# Altium PCB PCB_ECGAcquisitionSystem.PcbDoc (part 1 of 2) (continued)
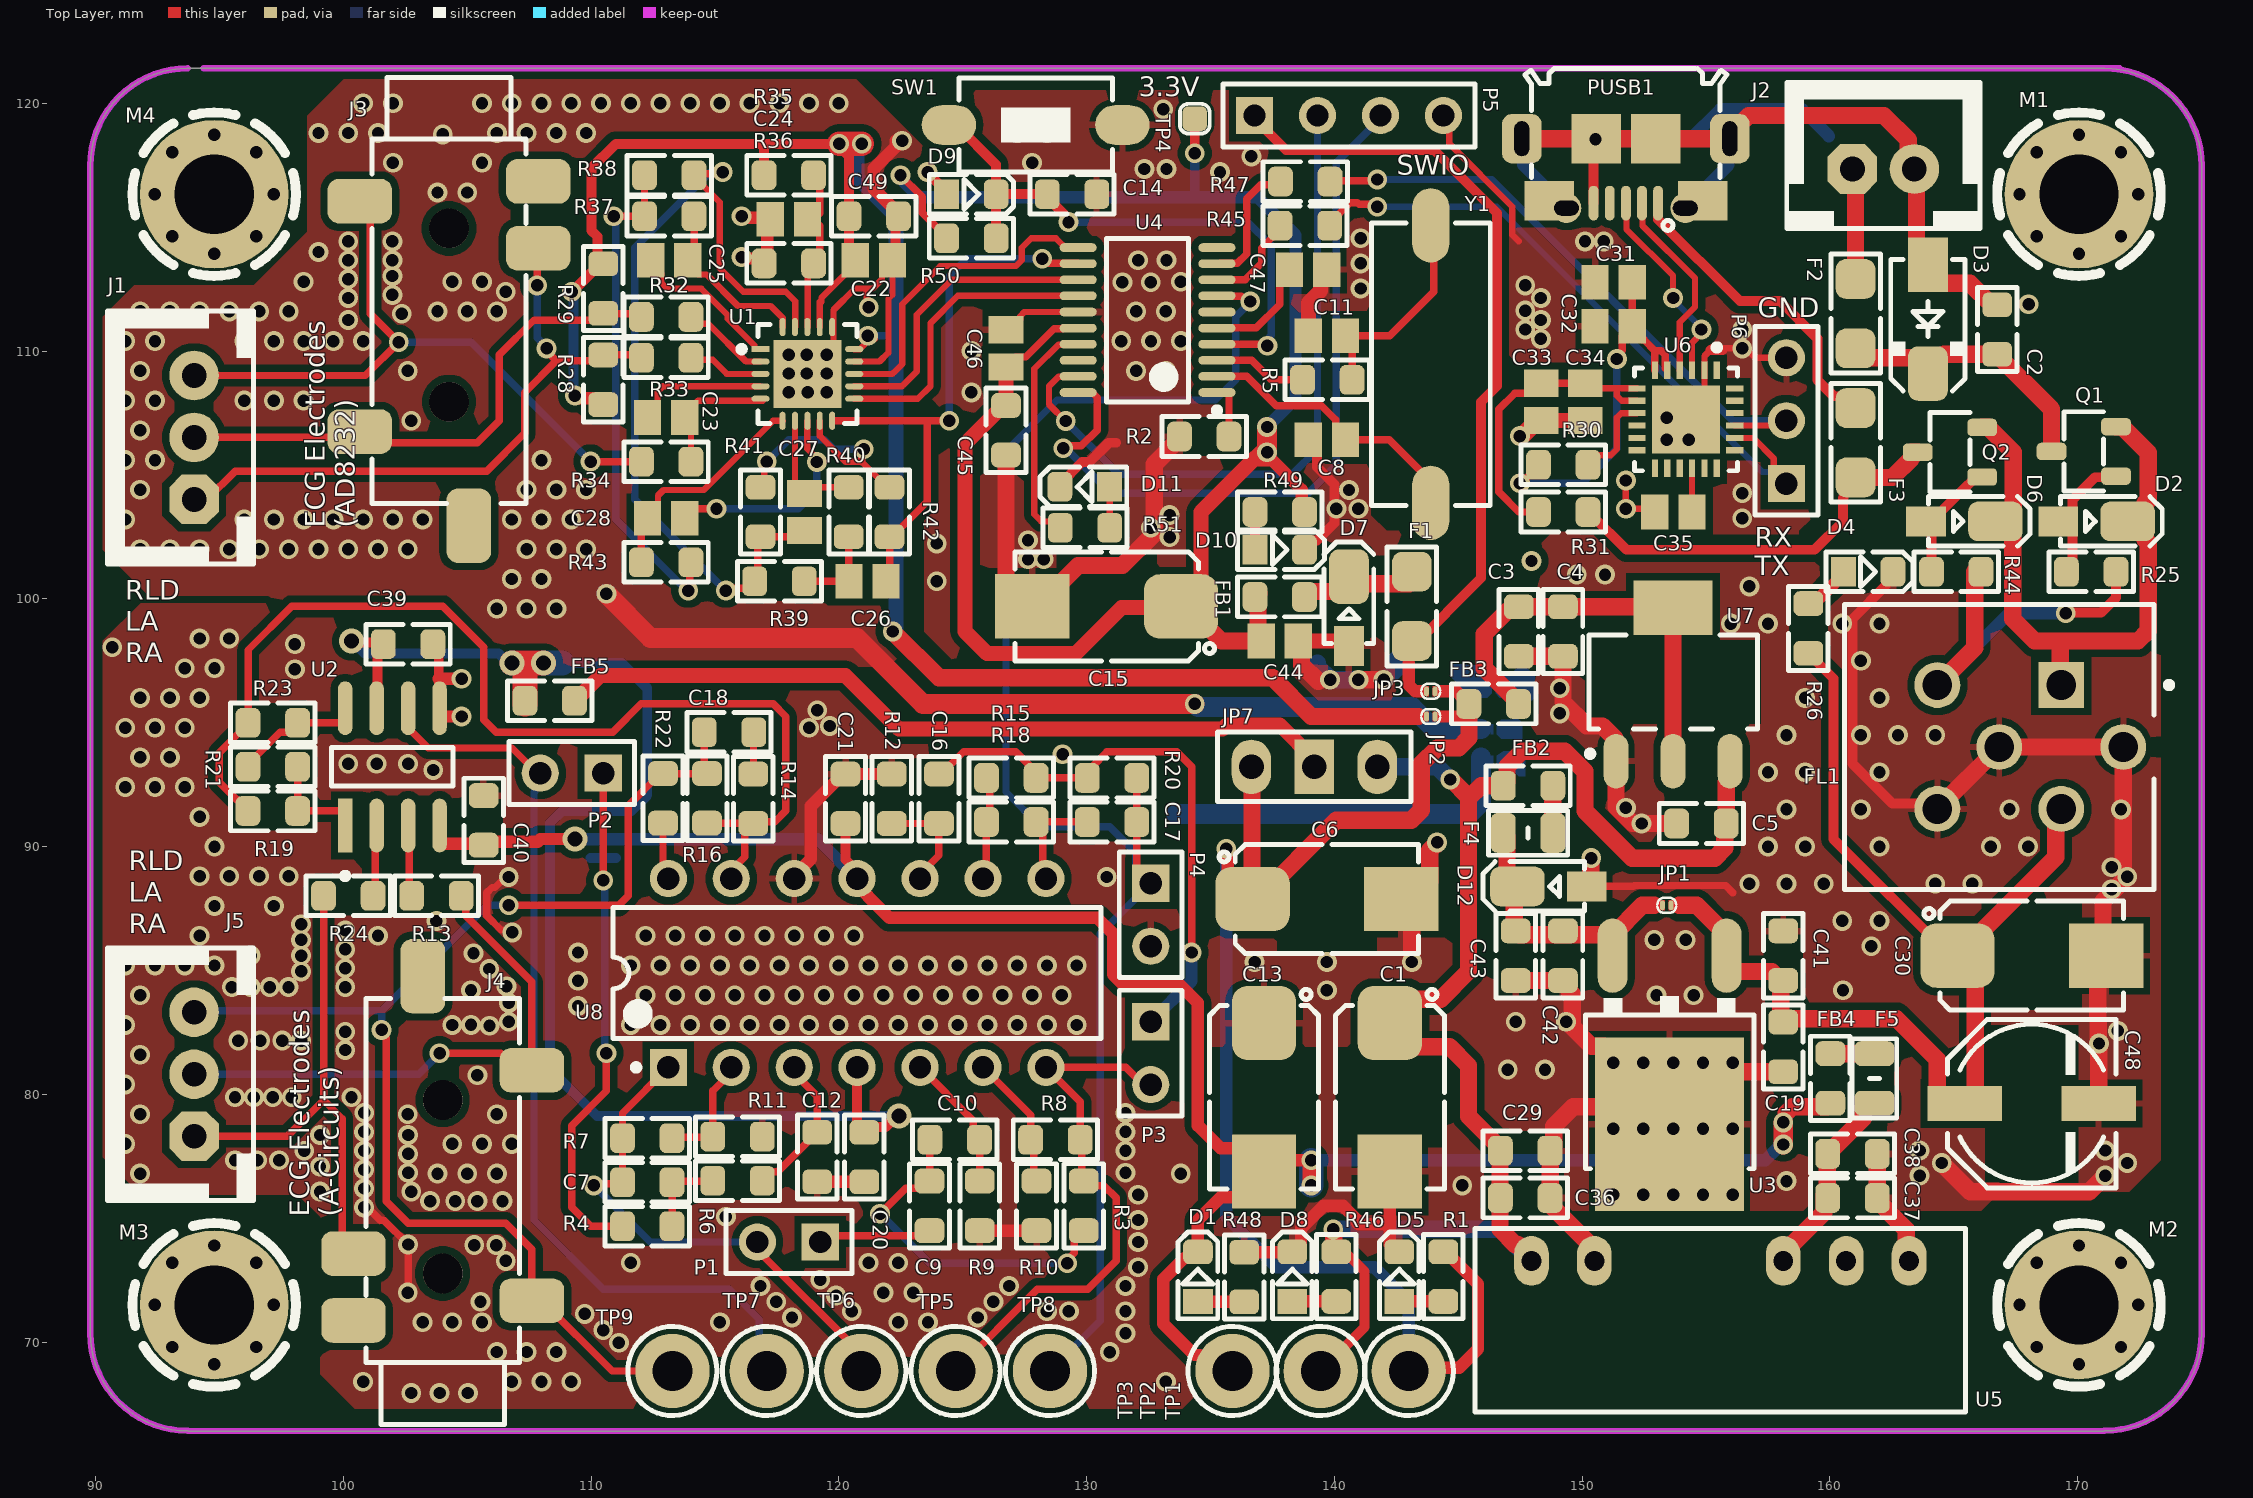
[diagram p0: Top Layer view]
## Components (designator, comment, footprint, x,y, rotation, side; value= is the part's Value field where it differs from the comment) (continued)
SW1 "PUSHBUTTON" SWPBS_SPST_6X3X5 127.945,119.126 r180 top
TP1 "3.3V_TP" TPTHD_C_BLK2 143.002,68.834 r0 top value=VALUE
TP2 "5V_TP" TPTHD_C_BLK2 139.446,68.834 r0 top value=VALUE
TP3 "-5V_TP" TPTHD_C_BLK2 135.89,68.834 r0 top value=VALUE
TP4 "V_MCU" TPSMD_S1 134.366,119.38 r0 top value=VALUE
TP5 "ECG_HPF_TP" TPTHD_C_BLK2 124.714,68.834 r180 top value=VALUE
TP6 "ECG_LPF_TP" TPTHD_C_BLK2 120.904,68.834 r180 top value=VALUE
TP7 "ECG_PREAMP_TP" TPTHD_C_BLK2 117.094,68.834 r180 top value=VALUE
TP8 "ECG_OUT_TP" TPTHD_C_BLK2 128.524,68.834 r180 top value=VALUE
TP9 "ECG_RLD_TP" TPTHD_C_BLK2 113.284,68.834 r180 top value=VALUE
U1 "AD8232ACPZ-R7" FP-CP-20-8-IPC_C 118.731,109.077 r0 top
U2 "AD620ARZ-REEL7" FP-R-8-IPC_B 101.981,93.218 r90 top
U3 "LF33" DPAK_3 153.529,85.598 r180 top
U4 "STM32F030F4P6" STM-TSSOP20_L 132.461,111.252 r180 top
U5 "MAU202" MINMAX_MAU200 155.575,73.279 r0 top
U6 "CP2104-F03-GM" FP-CP2104-F03-GM-MFG 154.187,107.245 r270 top
U7 "RT9001-33" SOT223_4 153.67,96.647 r90 top
U8 "TL084CN" N0014A 120.739,84.898 r90 top
Y1 "12MHZ" XTL_2_11X5 143.891,109.474 r90 top

## Footprints (in the part's own frame and the unit in brackets; to place one, negate y for a bottom-side part, rotate by r counter-clockwise, add the part's x,y. Pads: shape width x height; smd on the part's side, far side on the other; paste and mask are expansions set on the pad)
C0805 [mm] "Chip Capacitor, Body 2.0x1.3mm, IPC High Density"
  rect 1.1x1.4 smd: 1(-0.75,0) 2(0.75,0)
  body extent -1.1,-0.72 1.1,0.72, height 1.4
C0805S [mm] "CHIP Capacitor, 2.0X1.3mm, 0805, soldered"
  rrect50% 1x1.2 smd paste-0.1 mask+0.075: 1(-1,0) 2(1,0)
  Top Layer pour cut-out: -0.5,0.8 0.5,0.8 0.5,-0.8 -0.5,-0.8
  silkscreen extent -1.7,-0.8 1.7,0.8, body extent -1.4,-0.62 1.4,0.63, height 0.8
C_EL_6_8 [mm] "Electrolytic Cap, D: 6.3mm L: 7.7mm, Size D"
  rect 3x1.4 smd: 1(-2.7,0) 2(2.7,0)
  Top Layer pour cut-out: 1.905,3.175 1.905,-3.175 -1.905,-3.175 -1.905,3.175
  silkscreen extent -3.4,-3.4 3.4,3.4, body extent -3.65,-3.3 3.65,3.3, height 7.7
C_TN_7343 [mm] "CAPACITOR, TAN D, TAN E, TAN Y, TAN X, 7343P, 7.3X4.3mm"
  rrect50% 3x2.6 smd: 1(-3,0)
  rect 3x2.6 smd: 2(3,0)
  Top Layer pour cut-out: -2.032,2.2 -2.032,-2.2 2.032,-2.2 2.032,2.2
  silkscreen extent -4.35,-2.2 3.7,2.2, body extent -3.7,-2.22 3.7,2.23, height 4.2
D_SMA [mm] "SMA Molded Diode, 2-Leads, Body 4.3x2.7mm, SOD-128"
  rect 2.2x1.6 smd paste-0.1: 1(-2.2,0)
  rrect50% 2.2x1.6 smd paste-0.1: 2(2.2,0)
  silkscreen extent -2.4,-1.5 2.9,1.5, body extent -2.75,-1.4 2.75,1.4, height 2.6
D_SOD123W [mm] "PowerDI-123, SOD123, DO-213AA, 1206D"
  rect 1.6x1.2 smd paste-0.1 mask+0.1: 1(-1.6,0)
  rrect50% 2.2x1.6 smd paste-0.1 mask+0.1: 2(1.2,0)
  Top Layer pour cut-out: -1.016,1.1 -1.016,-1.1 1.016,-1.1 1.016,1.1
  silkscreen extent -1.5,-1 2.6,1, body extent -1.95,-0.97 1.95,0.96, height 1
D_SOD323 [mm] "DIODE0805, SOD-323, SC-76, DL-35, 0805 similar size"
  rect 1x1.2 smd paste-2 mask+0.075: 1(-1,0)
  rrect50% 1x1.2 smd paste-2 mask+0.075: 2(1,0)
  Top Layer pour cut-out: -0.5,0.8 0.5,0.8 0.5,-0.8 -0.5,-0.8
  silkscreen extent -1.7,-0.8 1.7,0.8, body extent -1.25,-0.68 1.25,0.67, height 1
DPAK_3 [mm] "D-PAK (TO-252), 3-Pads, Body 6.2x6.7mm"
  oval 1.2x3 smd: 1(-2.3,0) 3(2.3,0)
  rect 6x7 smd paste-5: 4(0,6.8)
  silkscreen extent -3.4,1.63 3.4,8.6, body extent -3.37,-0.5 3.37,9.6, height 2.37
F0805 [mm] "FUSE FAST 500mA, 0805, 2012, 2.0X1.3mm"
  rrect50% 1x1.6 smd paste-0.1 mask+0.075: 1(-1,0) 2(1,0)
  Top Layer pour cut-out: -0.5,0.8 0.5,0.8 0.5,-0.8 -0.5,-0.8
  silkscreen extent -1.6,-0.9 1.6,0.9, body extent -1.1,-0.75 1.1,0.75, height 1.24
F1206 [mm] "FUSE, 1206, 3.2x1.6mm"
  rrect50% 1.6x1.6 smd paste-2 mask+0.075: 1(-1.4,0) 2(1.4,0)
  Top Layer pour cut-out: -0.8,1 -0.8,-1 0.8,-1 0.8,1
  silkscreen extent -2.4,-1 2.4,1, body extent -1.6,-0.8 1.6,0.8, height 1
FP-BNX_L12MM5_W11MM5_T13M-MFG [mm]
  rect 1.85x1.85 hole 1.2 paste-1000 mask+0: 1(2.5,2.5)
  round 1.85 hole 1.2 paste-1000 mask+0: 2(2.5,-2.5) 3(-2.5,2.5) 4(-2.5,-2.5) 5(0,0) 6(5,0)
  silkscreen extent -6.25,-5.75 6.98,5.75, body extent -6.35,-5.85 6.35,5.85, height 0.25
FP-CP2104-F03-GM-MFG [mm]
  rect 0.7x0.25 smd paste+0 mask+0: 1(-1.975,1.25) 2(-1.975,0.75) 3(-1.975,0.25) 4(-1.975,-0.25) 5(-1.975,-0.75) 6(-1.975,-1.25) 13(1.975,-1.25) 14(1.975,-0.75) 15(1.975,-0.25) 16(1.975,0.25) 17(1.975,0.75) 18(1.975,1.25)
  rect 0.25x0.7 smd paste+0 mask+0: 7(-1.25,-1.975) 8(-0.75,-1.975) 9(-0.25,-1.975) 10(0.25,-1.975) 11(0.75,-1.975) 12(1.25,-1.975) 19(1.25,1.975) 20(0.75,1.975) 21(0.25,1.975) 22(-0.25,1.975) 23(-0.75,1.975) 24(-1.25,1.975)
  rect 2.75x2.75 smd paste-1000 mask+0: 25(0,0)
  silkscreen extent -3.02,-2.07 2.08,2.07, body extent -2.42,-2.42 2.43,2.42, height 0.25
FP-CP-20-8-IPC_C [mm]
  rect 0.731x0.239 smd paste+0 mask+0: 1(-1.891,1)
  rrect100% 0.731x0.239 smd paste+0 mask+0: 2(-1.891,0.5) 3(-1.891,0) 4(-1.891,-0.5) 5(-1.891,-1) 11(1.891,-1) 12(1.891,-0.5) 13(1.891,0) 14(1.891,0.5) 15(1.891,1)
  rrect100% 0.239x0.731 smd paste+0 mask+0: 6(-1,-1.891) 7(-0.5,-1.891) 8(0,-1.891) 9(0.5,-1.891) 10(1,-1.891) 16(1,1.891) 17(0.5,1.891) 18(0,1.891) 19(-0.5,1.891) 20(-1,1.891)
  rect 2.75x2.75 smd paste-1000 mask+0: 21(0,0)
  silkscreen extent -2.78,-2 2,2, body extent -2.36,-2.36 2.36,2.36, height 0.25
FP-R-8-IPC_B [mm]
  rect 2.174x0.582 smd paste+0 mask+0: 1(-2.366,1.905)
  rrect100% 2.174x0.582 smd paste+0 mask+0: 2(-2.366,0.635) 3(-2.366,-0.635) 4(-2.366,-1.905) 5(2.366,-1.905) 6(2.366,-0.635) 7(2.366,0.635) 8(2.366,1.905)
  silkscreen extent -4.53,-2.45 0.78,2.45, body extent -3.7,-2.7 3.7,2.7, height 0.25
HDR1X2 [mm] "Connector; Header; 2 Position"
  rect 1.5x1.5 hole 0.9: 1(0,0)
  round 1.5 hole 0.9: 2(2.54,0)
  silkscreen extent -1.27,-1.27 3.81,1.27
HDR1X3 [mm] "Connector; Header; 3 Position"
  rect 1.5x1.5 hole 0.9: 1(0,0)
  round 1.5 hole 0.9: 2(2.54,0) 3(5.08,0)
  silkscreen extent -1.27,-1.27 6.35,1.27
HDR1X4 [mm] "Connector; Header; 4 Position"
  rect 1.5x1.5 hole 0.9: 1(0,0)
  round 1.5 hole 0.9: 2(2.54,0) 3(5.08,0) 4(7.62,0)
  silkscreen extent -1.27,-1.27 8.89,1.27
JCKAS_STX3500 [mm] "Jack, Audio, Stereo, 3.5mm, RA, SMD"
  rrect50% 2.6x1.8 smd: 1(-3.6,8.1) 2(-3.6,-1.2) 3(3.6,6.2) 5(3.6,8.9)
  rrect50% 1.8x3 smd: 4(0.8,-5)
  round 1.6 hole 1.6 unplated: ""(0,0) ""(0,7)
  silkscreen extent -3.1,-4.1 3.1,13.1, body extent -4.5,-6 4.5,13, height 5
JP_3 [mm] "Jumper Header 2.54mm Pitch, 3PIN, Vertical"
  oval 1.6x2.2 hole 1: 1(-2.54,0) 3(2.54,0)
  rect 1.6x2.2 hole 1: 2(0,0)
  silkscreen extent -3.9,-1.4 3.9,1.4, body extent -3.82,-1.27 3.8,1.27, height 8.57
JP_40X50 [mm] "JUMPER SOLDER 0.4X0.5MM"
  oval 0.2x0.4 smd paste-2 mask+0.05: 1(-0.175,0) 2(0.175,0)
  Top Layer region: 0.175,0.2 0.075,0.2 0.075,-0.2 0.175,-0.2
  Top Layer region: -0.175,0.2 -0.075,0.2 -0.075,-0.2 -0.175,-0.2
  silkscreen extent -0.38,-0.3 0.38,0.3
L0805 [mm] "INDUCTOR, FERRITE BEAD, 0805, 2.0X1.3mm"
  rrect50% 1x1.2 smd paste-0.1 mask+0.075: 1(-1,0) 2(1,0)
  Top Layer pour cut-out: -0.5,0.8 0.5,0.8 0.5,-0.8 -0.5,-0.8
  silkscreen extent -1.7,-0.8 1.7,0.8, body extent -1,-0.6 1,0.6, height 0.95
LED0805BLU [mm] "LED SMD 0805, BLUE"
  rect 1x1.2 smd paste-2 mask+0.075: 1(-1,0)
  rrect50% 1x1.2 smd paste-2 mask+0.075: 2(1,0)
  Top Layer pour cut-out: -0.5,0.8 0.5,0.8 0.5,-0.8 -0.5,-0.8
  silkscreen extent -1.7,-0.8 1.8,0.8, body extent -1,-0.63 1,0.63, height 0.7
LED0805GRN [mm] "LED SMD 0805, GREEN"
  rect 1x1.2 smd paste-2 mask+0.075: 1(-1,0)
  rrect50% 1x1.2 smd paste-2 mask+0.075: 2(1,0)
  Top Layer pour cut-out: -0.5,0.8 0.5,0.8 0.5,-0.8 -0.5,-0.8
  silkscreen extent -1.7,-0.8 1.8,0.8, body extent -1,-0.63 1,0.63, height 0.7
LED0805RED [mm] "LED SMD 0805, RED"
  rect 1x1.2 smd paste-2 mask+0.075: 1(-1,0)
  rrect50% 1x1.2 smd paste-2 mask+0.075: 2(1,0)
  Top Layer pour cut-out: -0.5,0.8 0.5,0.8 0.5,-0.8 -0.5,-0.8
  silkscreen extent -1.7,-0.8 1.8,0.8, body extent -1,-0.63 1,0.63, height 0.7
MINMAX_MAU200 [mm] "DC-DC Module, MAU200"
  oval 1.4x2 hole 0.8: 1(-7.62,0) 2(-5.08,0) 5(2.54,0) 6(5.08,0) 7(7.62,0)
  silkscreen extent -9.9,-6.1 9.9,1.3, body extent -9.75,-6 9.75,1.2, height 10
N0014A [mm] "DIP, 14-Leads, Body 19.7x6.6mm, Pitch 2.54mm"
  rect 1.5x1.5 hole 0.9: 1(-3.81,7.62)
  round 1.5 hole 0.9: 2(-3.81,5.08) 3(-3.81,2.54) 4(-3.81,0) 5(-3.81,-2.54) 6(-3.81,-5.08) 7(-3.81,-7.62) 8(3.81,-7.62) 9(3.81,-5.08) 10(3.81,-2.54) 11(3.81,0) 12(3.81,2.54) 13(3.81,5.08) 14(3.81,7.62)
  silkscreen extent -3.93,-9.85 2.65,9.85, body extent -3.95,-9.85 3.95,9.85, height 5.08
R0805 [mm] "CHIP RESISTOR 1/8 WATT ,2.0X1.3mm, 0805, 2012"
  rrect50% 1x1.2 smd paste-0.1 mask+0.075: 1(-1,0) 2(1,0)
  Top Layer pour cut-out: -0.5,0.8 0.5,0.8 0.5,-0.8 -0.5,-0.8
  silkscreen extent -1.7,-0.8 1.7,0.8, body extent -1.15,-0.67 1.15,0.68, height 0.76
R0805S [mm] "CHIP RESISTOR 1/8 WATT ,2.0X1.3mm, 0805, 2012, soldered"
  rrect50% 1x1.2 smd paste-0.1 mask+0.075: 1(-1,0) 2(1,0)
  Top Layer pour cut-out: -0.5,0.8 0.5,0.8 0.5,-0.8 -0.5,-0.8
  silkscreen extent -1.7,-0.8 1.7,0.8, body extent -1.4,-0.62 1.4,0.63, height 0.8
SCMH_M3 [mm] "SCREW mouting, M3, 3.0mm diameter and 6.0mm PanHead"
  round 6 / inner round 3.5 / far side round 6 hole 3.2 mask+0.1: 1(0,0)
  Top Layer pour cut-out: 0,3.5 -1.339,3.234 -2.475,2.475 -3.234,1.339 -3.5,0 -3.5,0 -3.234,-1.339 -2.475,-2.475 -1.339,-3.234 0,-3.5 0,-3.5 1.75,-3.031 3.031,-1.75 3.5,0 3.5,0 3.234,1.339 2.475,2.475 1.339,3.234 0,3.5
  Bottom Layer pour cut-out: 0,3.5 -1.339,3.234 -2.475,2.475 -3.234,1.339 -3.5,0 -3.5,0 -3.234,-1.339 -2.475,-2.475 -1.339,-3.234 0,-3.5 0,-3.5 1.75,-3.031 3.031,-1.75 3.5,0 3.5,0 3.234,1.339 2.475,2.475 1.339,3.234 0,3.5
  silkscreen extent -3.3,-3.3 3.3,3.3
SOT23_3 [mm] "SOT-23, Micro3, MO-178, TO-236AB, MO-193C, SuperSOT3, SC-59, 1.5x3mm, Pitch 1.9mm"
  rrect50% 1.2x0.7 smd paste-0.05 mask+0.1: 1(-1.3,1) 2(-1.3,-1) 3(1.3,0)
  silkscreen extent -0.8,-1.6 0.8,1.6, body extent -1.32,-1.5 1.32,1.5, height 1.08
SOT223_4 [mm] "SOT223, 4-Leads, Body 6.5x3.5mm, Pitch 2.30mm"
  oval 2.2x1 smd: 1(-3.2,2.3) 2(-3.2,0) 3(-3.2,-2.3)
  rect 2.2x3.2 smd paste-5: 4(3,0)
  Top Layer pour cut-out: -1.7,3.556 1.7,3.556 1.7,-3.556 -1.7,-3.556
  silkscreen extent -3.02,-3.4 1.9,3.47, body extent -3.5,-3.25 3.5,3.25, height 1.7
STM-TSSOP20_L [mm] "SOP, 20-Leads, Body 6.6x4.5mm, Pitch 0.65mm, IPC High Density"
  oval 1.5x0.35 smd: 1(-2.8,2.925) 2(-2.8,2.275) 3(-2.8,1.625) 4(-2.8,0.975) 5(-2.8,0.325) 6(-2.8,-0.325) 7(-2.8,-0.975) 8(-2.8,-1.625) 9(-2.8,-2.275) 10(-2.8,-2.925) 11(2.8,-2.925) 12(2.8,-2.275) 13(2.8,-1.625) 14(2.8,-0.975) 15(2.8,-0.325) 16(2.8,0.325) 17(2.8,0.975) 18(2.8,1.625) 19(2.8,2.275) 20(2.8,2.925)
  silkscreen extent -2.93,-3.3 1.65,3.77, body extent -2.25,-3.3 2.25,3.3, height 1.2
SWPBS_SPST_6X3X5 [mm] "SWITCH, PUSHBUTTON, SMD, SPST, 6X3.5mm, SKQMBBE010, 50000 Cycles, 1.57N Force"
  oval 2.2x1.6 smd mask+0.1: 1(-3.5,0) 2(3.5,0)
  silkscreen extent -3.1,-1.9 3.1,1.9, body extent -3.65,-1.75 3.65,1.75, height 5
TPSMD_S1 [mm] "Test Point, SMD Pad, Circle, 1mm X 1mm"
  rrect50% 1x1 smd paste-1.016 mask+0.025: 1(0,0)
  silkscreen extent -0.6,-0.6 0.6,0.6
TPTHD_C_BLK2 [mm] "Thru-hole test point loop, 1.6mm Hole"
  round 3 hole 1.6: 1(0,0)
  silkscreen extent -1.8,-1.8 1.8,1.8, body extent -1.59,-1.58 1.59,1.59, height 5.65
USB_MICRO_B_BM_SHS [mm] "CONN, USB Micro B - Standard (Bottom mount), Shell SMD, 473460001, ZX62-AB-5PA"
  oval 0.4x1.4 smd mask+0.05: 1(1.3,0) 2(0.65,0) 3(0,0) 4(-0.65,0) 5(-1.3,0)
  round 1.2 hole 0.6 slot 1 at 0 deg mask+0.05: SH1(-2.4,-0.2) SH2(2.4,-0.2)
  rect 2x2 smd: SH3(-1.2,2.6) SH4(1.2,2.6)
  rrect50% 1.6x2 / inner oval 0.8x1.6 / far side oval 0.8x1.6 hole 0.6 slot 1.4 at 90 deg: SH5(-4.2,2.6) SH6(4.2,2.6)
  rect 2x1.6 smd: SH7(-3.1,0.1) SH8(3.1,0.1)
  silkscreen extent -4.08,-1.1 4.08,5.43, body extent -3.99,-0.3 3.99,5.13, height 2.72
XH_2 [mm] "PW10-xx-M, JST-BxB-XH-A pitch: 2.5mm"
  oct 2x2 hole 1: 1(-1.25,0)
  round 2 hole 1: 2(1.25,0)
  silkscreen extent -3.9,-2.4 3.9,3.5, body extent -3.75,-2.3 3.75,3.4, height 7
XH_3 [mm] "PW10-xx-M, JST-BxB-XH-A pitch: 2.5mm"
  oct 2x2 hole 1: 1(-2.5,0)
  round 2 hole 1: 2(0,0) 3(2.5,0)
  silkscreen extent -5.1,-2.4 5.1,3.5, body extent -5,-2.3 5,3.4, height 7
XTL_2_11X5 [mm] "SMD crystal resonator, ABL, ABLS, HC-49, HC49 11X4.5MM"
  oval 3x1.5 smd: 1(-5.6,0) 2(5.6,0)
  silkscreen extent -5.7,-2.4 5.7,2.4, body extent -6.4,-2.41 6.4,2.42, height 4.3

## Part data
C1 C6 C13 C15 C30: library part CAP_SMD_TAN_220uF, "CAP, SMD, TAN", MANF=VISHAY, MANF_P#=T55D227M6R3C0035, PARAM="20%, 35mOhm, -55~105oC", PARAM2=6.3V, Price=1.9$
  C1 C6 C13 C30: ClassName=Power
  C15: ClassName=MCU_COMPONENTS
C2 C3 C4 C5 C7 C8 C9 C10 C11 C12 C14 C16 C17 C18 C19 C20 C21 C22 C23 C24 C25 C26 C27 C28 C29 C31 C32 C33 C34 C35 C36 C37 C38 C39 C40 C41 C42 C43 C44 C45 C46 C47 C49: library part CAP_SMD_MLCC_0805, "CAP, MLCC, -F, -V, MATERIAL, -%, 0201", ASSEMBLY=ASSEMBLY, MANF=-, MANF_P#=MANF_PART#, PARAM="-, -%", PARAM2=-V, Price="100= 1$"
  C2 C3 C4 C5 C19 C29 C36 C37 C38 C41 C42 C43: ClassName=Power
  C7 C9 C10 C12 C16 C17 C18 C20 C21 C39 C40: ClassName=ECG_CIRCUIT
  C8 C11 C14 C44 C45 C46 C47: ClassName=MCU_COMPONENTS
  C22 C23 C24 C25 C26 C27 C28 C49: ClassName=AD8232_COMPONENTS
  C31 C32 C33 C34 C35: ClassName=USB_COMPONENTS
C48: library part CAP_SMD_EL_180u16V, "CAP, SMD, ELEC,", ASSEMBLY=ASSEMBLY, ClassName=Power, DESC="Aluminum Organic Polymer", DIST#=MOUSER, MANF=Panasonic, MANF_P#=16SVPE180M, PARAM="20%, 11mOhmESR, -55~105oC", PARAM2=16V, Price=0.8$
D1 D5 D8 D10: library part LED_SMD_0805_GRN, "LED, SMD, 0805, GREEN", ASSEMBLY=ASSEMBLY, DESC=DESCRIPTION, MANF=-, MANF_P#=-, PARAM=20mA, PARAM2=2.2V, Price=36t@Javan
  D1 D5 D8: ClassName=Power
  D10: ClassName=MCU_COMPONENTS
D2 D6 D7 D12: library part DIODE_SMD_ZENER_BZT52HC5V1, "DIODE, ZENER, 1W, 5.1V", ASSEMBLY=ASSEMBLY, DESC=DESCRIPTION, MANF=Diodes, MANF_P#=BZT52HC5V1WF-7, PARAM=5.1V, PARAM2="1W, 4Ohm, -55~150oC", Price=0.25$
  D2 D6 D12: ClassName=Power
  D7: ClassName=MCU_COMPONENTS
D3: library part TVS_SMAJ12CA, "TVS, ESD PROTECT, Bidirectional", ClassName=Power, MANF=Littelfuse, MANF_P#=SMAJ12CA, PARAM=-65~150°C, PARAM2="12VR, 13.3VBR"
D4: library part LED_SMD_0805_RED, "LED, SMD, 0805, RED", ASSEMBLY=ASSEMBLY, ClassName=Power, DESC=DESCRIPTION, MANF=MANF, MANF_P#=MANF_PART#, PARAM2=2.2V, Price=36t@Javan
D9: library part TVS_PESD1IVN27, "TVS, ESD PROTECT,", ClassName=MCU_COMPONENTS, MANF=NXP, MANF_P#=PESD1IVN27-AX, PARAM=27VRWM
D11: library part LED_SMD_0805_BLU, "LED, SMD, 0805, BLUE", ASSEMBLY=ASSEMBLY, ClassName=MCU_COMPONENTS, DESC=DESCRIPTION, MANF=MANF, MANF_P#=MANF_PART#, PARAM2=2.2V, Price=36t@Javan
F1 F2 F3: library part FUSE_160mA_1206, "Fuse, 160mA, 63VDC, 1206, SMD, Fast Acting", MANF="Holly Fuse", MANF_P#=12T-0160L, PARAM="160mA; 63VDC; slow-blow", PARAM2=PARAM2
  F1: ClassName=MCU_COMPONENTS
  F2 F3: ClassName=Power
F4 F5: library part FUSE_500mA_0805_FAST, "Fuse, 500mA, 32VDC, 0805, SMD, Fast Acting", MANF=MANF, MANF_P#=MANF_PART#, PARAM="500mA; 32VDC; fast acting", PARAM2="0.25 Ohm DC Cold Resistance"
FB1 FB2 FB3 FB4 FB5: library part FBEAD_SMD_BLM21PG221, "FERRITE_Bead, 0805, 2A, 50mOhm, 220@100MHz", ClassName=MCU_COMPONENTS, MANF=MURATA, MANF_P#=BLM15AG121SN1D, PARAM=220@100MHz, PARAM2="2A, 50mOhm"
FL1: library part CMP-06051-000064-1, "FILTER LC TH", Attenuation Value=40dB, Current=15A, Frequency=1GHz, Max Operating Temperature=85°C, Max Voltage Rating (DC)=50V, Min Operating Temperature=-30°C, Package Quantity=100, Circuit Type=Filter, ClassName=Power, Contact Plating=Copper, Current Rating=15A, Depth=11mm, ESD Protection=No, Height=13.5mm, Impedance=50R, Lead Free="Lead Free", Length=12mm, Max Current Rating=15A, Mount="Through Hole", Number of Channels=2, Packaging=Bulk, Radiation Hardening=No, REACH SVHC="No SVHC", Shielding=Unshielded, Termination="PC Pins", Voltage Rating=50V, Width=11mm
J1 J5: library part XH_3, "JST-XH pitch: 2.5mm"
  J1: ClassName=AD8232_COMPONENTS
  J5: ClassName=ECG_CIRCUIT
J2: library part XH_2, "JST-XH pitch: 2.5mm"
J3 J4: library part JACKA3.5SMD_STX-3500-3, "Jack, Audio, Stereo, 3.5mm, RA, SMD", ASSEMBLY=ASSEMBLY, DESC=DESCRIPTION, DIST#=MOUSER, MANF=Kycon, MANF_P#=STX-3500-3NTR, PARAM=PARAM, Price=1.6$
  J3: ClassName=AD8232_COMPONENTS
  J4: ClassName=ECG_CIRCUIT
JP1 JP2 JP3 JP4 JP5 JP6: library part JUMPER_SOLDER, "JUMPER, HEADER 2PIN", ClassName=Power, MANF=MANF, MANF_P#=MANF_P#
JP7: library part JUMPER_HDR_3P, "JUMPER, HEADER 3PIN", ClassName=Power, MANF=MANF, MANF_P#=MANF_P#
M1 M2 M3 M4: library part SCMH_M3, "SCREW mouting, M3, 3.0mm diameter and 6.0mm PanHead", ASSEMBLY=DNP
P1 P2 P3 P4: "Header, 2-Pin", ClassName=ECG_CIRCUIT, LatestRevisionDate=17-Jul-2002, LatestRevisionNote="Re-released for DXP Platform.", Publisher="Altium Limited"
P5: "Header, 4-Pin", LatestRevisionDate=17-Jul-2002, LatestRevisionNote="Re-released for DXP Platform.", Publisher="Altium Limited"
P6: "Header, 3-Pin", LatestRevisionDate=17-Jul-2002, LatestRevisionNote="Re-released for DXP Platform.", Publisher="Altium Limited"
PUSB1: library part CONN_USB_MICRO_B_BM_SHS, "CONN, USB, MICRO B, R/A, SMD, BOTTOM MOUNT", ClassName=USB_COMPONENTS, MANF=Molex, MANF_P#=47346-0001, MANF_P#2="HIROSE ZX62-AB-5PA", PARAM="1.8A, -20~85oC", PARAM2=30VAC, Price=0.75$
Q1 Q2: library part MOSP_AO3401_SOT23, "MOSFET P-CH AO3401 SMD SOT-23 3P", ASSEMBLY=ASSEMBLY, ClassName=Power, MANF="ALPHA & OMEGA", MANF_P#=AO3401, PARAM=4.2A/30V
R1 R2 R5 R25 R26 R44 R45 R46 R47 R48 R49 R50 R51: library part RES_SMD, "RESISTOR, SMD", ASSEMBLY=ASSEMBLY, DESC=DESCRIPTION, DIST#=MOUSER, MANF=-, MANF_P#=-, PARAM=-W, PARAM2=1%, Price="100= 0.5$"
  R1 R25 R26 R44 R46 R48: ClassName=Power
  R2 R5 R45 R47 R49 R50 R51: ClassName=MCU_COMPONENTS
R3 R4 R6 R7 R8 R9 R10 R11 R12 R13 R14 R15 R16 R18 R19 R20 R21 R22 R23 R24 R28 R29 R30 R31 R32 R33 R34 R35 R36 R37 R38 R39 R40 R41 R42 R43: library part RES_SMD_0805, "RESISTOR, SMD", ASSEMBLY=ASSEMBLY, DESC=DESCRIPTION, DIST#=MOUSER, MANF=-, MANF_P#=-, PARAM=-W, PARAM2=1%, Price="100= 0.5$"
  R3 R4 R6 R7 R8 R9 R10 R11 R12 R13 R14 R15 R16 R18 R19 R20 R21 R22 R23 R24: ClassName=ECG_CIRCUIT
  R28 R29 R32 R33 R34 R35 R36 R37 R38 R39 R40 R41 R42 R43: ClassName=AD8232_COMPONENTS
  R30 R31: ClassName=USB_COMPONENTS
SW1: library part SWPBS_SPST_6X3X4, "SWITCH, PUSH BUTTON, TACTILE, SMD, SPST, 6X3.5X4.3mm", ASSEMBLY=ASSEMBLY, ClassName=MCU_COMPONENTS, DESC=DESCRIPTION, MANF=Panasonic, MANF_P#=EVQ-PNF04M, PARAM=PARAM, Price=PRICE
TP1 TP2 TP3 TP5 TP6 TP7 TP8 TP9: library part TESTPOINT_BIG_BLK2, "TEST POINT", MANF=MANF, MANF_P#=MANF_P#
  TP1 TP2 TP3: ClassName=Power
  TP5 TP6 TP7 TP8 TP9: ClassName=ECG_CIRCUIT
TP4: library part TESTPOINT_SMD, "TEST POINT", MANF=MANF, MANF_P#=MANF_P#
U1: library part CMP-09085-000003-1, "IC ECG FRONT END 20LFCSP", Case/Package="LFCSP EP", Input Bias Current=50pA, Input Offset Voltage (Vos)=3mV, Max Operating Temperature=85°C, Max Supply Voltage=3.5V, Min Operating Temperature=-40°C, Min Supply Voltage=2V, Nominal Supply Current=170uA, Package Quantity=1500, Power Supply Rejection Ratio (PSRR)=90dB, ClassName=AD8232_COMPONENTS, Common Mode Rejection Ratio=80dB, Contact Plating=Tin, Lead Free="Contains Lead", Mount="Surface Mount", Number of Pins=20, Operating Supply Current=170uA, Packaging="Tape and Reel", REACH SVHC="No SVHC"
U2: library part CMP-09116-000354-1, "IC INST AMP 1 CIRCUIT 8SOIC", Case/Package=SOIC, Dual Supply Voltage=15V, Input Bias Current=500pA, Input Offset Voltage (Vos)=30mV, Input Resistance=10GR, Max Dual Supply Voltage=18V, Max Operating Temperature=125°C, Max Power Dissipation=650mW, Min Dual Supply Voltage=2.3V, Min Operating Temperature=-55°C, Min Supply Voltage=4.6V, Nominal Supply Current=900uA, Operating Supply Current=1.3mA, Output Current per Channel=18mA, Package Quantity=1, Power Supply Rejection Ratio (PSRR)=140dB, -3db Bandwidth=1MHz, Bandwidth=800kHz, ClassName=ECG_CIRCUIT, Common Mode Rejection Ratio=93dB, Contact Plating=Tin, Lead Free="Contains Lead", Mount="Surface Mount", Number of Channels=1, Number of Circuits=1, Number of Elements=1, Number of Pins=8, Operating Supply Voltage=18V, Packaging="Tape and Reel", Power Dissipation=650mW, Radiation Hardening=No, RoHS Compliant=Yes, Series=-, Slew Rate=1.2V/µs, Supply Current=900uA
U3: library part VREG_LFXX_TO252, "REG, Linear, LDO0.45V, 0.5A, TO-252", ClassName=Power, MANF=ST, MANF_P#=LF33, PARAM="LDO0.45V, 0.5A", PARAM2=1.5/1.8/2.5/3.3/5V, Price=1500t
U4: library part CMP-0304-00039-2, "ARM Cortex-M0 32-bit MCU, 16 KB Flash, 4 KB Internal RAM, 15 I/Os, 20-pin TSSOP, -40 to 85 degC, Tube", I/Os (High Current)=15, Operating Frequency(F) (Processor speed) (MHz)=48, Supply Voltage(Vcc) min (V)=2.4, ClassName=MCU_COMPONENTS, ComponentLink1Description="Manufacturer URL", ComponentLink1URL=http://www.st.com/web/en/home.html, ComponentLink2Description=Datasheet, ComponentLink2URL=http://www.st.com/st-web-ui/static/active/en/resource/technical/document/datasheet/DM00088500.pdf, ComponentLink3Description="Package Specification", ComponentLink3URL=http://www.st.com/st-web-ui/static/active/en/resource/technical/document/datasheet/DM00065136.pdf, Core="ARM Cortex-M0", DatasheetVersion="Rev. 1", FLASH Size (Prog) (kB)=16, Internal RAM Size (kB)=4, Mounting Technology="Surface Mount", PackageDescription="20-Pin Thin Shrink Small Outline Package, 6.5 x 4.4 mm Body, 0.65 mm Pitch", PackageReference=TSSOP20, PackageVersion="Rev. 1, 11/2012", Packing=Tube, PartNumber=STM32F030F4P6
U5: "DC-DC Converter, Isolated, 1W", ClassName=Power, DESC=https://www.minmax.com.tw/cn/download/files/228/MAU200_Datasheet.pdf, MANF=MINMAX, MANF_P#=MAU202, PARAM="200mA, -40~85°C", PARAM2="4.5~5.5(5)Vin, 5Vout, 1W"
U6: library part CMP-0511-00004-2, "IC SGL USB-TO-UART BRIDGE 24QFN", Case/Package=QFN, Max Operating Temperature=85°C, Max Supply Voltage=3.6V, Min Operating Temperature=-40°C, Min Supply Voltage=3V, Operating Supply Current=17mA, Operating Supply Voltage=3.3V, ClassName=USB_COMPONENTS, Contact Plating=Tin, Data Rate=2Mbps, Number of Channels=1, Number of Pins=24, Number of Transceivers=1, Packaging=Rail/Tube, Radiation Hardening=No, Weight=0.001764oz
U7: library part VREG_RT9001-33_SOT223, "(Footprint is compatible with AMS1117) REG, Linear, LDO0.58V, 0.6A, 3.3V FIXED, SOT223", ClassName=Power, DESC=http://www.lionelectronic.ir/content/rt9001-33gg, MANF=RICHTEK, MANF_P#=RT9001-33GG, PARAM="0.6A, -55dBpsrr@1KHz, -40~125°C", PARAM2="LDO0.58V, 3~5.5VIN, 3.3Vout", Price=1.7t@Lion
U8: library part CMP-0017-00818-2, "JFET-Input Operational Amplifier, 7 to 36 V, 0 to 70 degC, 14-pin DIP (N14), Pb-Free (RoHS)", Manufacturer="Texas Instruments", Rating=Catalog, Total Supply Voltage(Max)(+5V is 5, +/-5V is 10)=36, Total Supply Voltage(Min)(+5V is 5, +/-5V is 10)=7, ClassName=ECG_CIRCUIT, CMRR(Min)(dB)=70, Code_JEDEC=MS-001, ComponentLink1Description="Manufacturer URL", ComponentLink1URL=http://www.ti.com/, ComponentLink2Description=Datasheet, ComponentLink2URL=http://www.ti.com/lit/ds/symlink/tl084.pdf, ComponentLink3Description="Package Specification", ComponentLink3URL=http://www.ti.com/lit/ml/mpdi002c/mpdi002c.pdf, DatasheetVersion=SLOS081G, Eco-Plan="Pb-Free (RoHS)", GBW(Typ)(MHz)=3, IIB(Max)(pA)=400, Iq per channel(Max)(mA)=2.8, Mounting Technology="Through Hole", Number of Channels=4, Offset Drift(Typ)(uV/C)=18, PackageDescription="14-Pin Plastic In-Line, Body 19.305 x 6.35 mm, Pitch 2.54 mm", PackageReference=N0014A, PackageVersion="4040049/E, 12/2002", PartNumber=TL084CN, Slew Rate(Typ)(V/us)=13, Sub Family="General Purpose Amplifier, High Supply Voltage Amplifier (>=30V)", Vio (25C)(Max)(mV)=15, Vn at 1kHz(Typ)(nV/rtHz)=18
Y1: library part CRYSTAL-GENERIC, "SMD CRYSTAL", ClassName=MCU_COMPONENTS

## Via types
v1: diameter 0.8, hole 0.5, Top Layer to Bottom Layer, tented both sides, 487 vias
v2: diameter 0.8, hole 0.5, Top Layer to Bottom Layer, 87 vias
v3: diameter 1, hole 0.6, Top Layer to Bottom Layer, 5 vias

## Nets (pads, with @x,y where several pads share a name; then routed paths per layer and width w, separated by ;. In a path a pad name is that pad's centre, name@x,y a point inside that pad or via, vN(x,y) a via of type N, cw(c..) or ccw(c..) an arc to the next point about the centre after c; other vN are vias at no path point)
3.3V_LDO: C6.1 FB3.2 JP2.1 JP3.1 JP7.1 R1.2 TP1.1 | length 57.8
  Top Layer w0.5: v2(135.636,89.916) 135.636,89.835 135.697,89.774 135.697,88.904 136.129,88.471 C6.1@136.676,88.471 ; TP1.1@143.002,68.834 143.129,68.961 145.034,68.961 145.796,69.723 145.796,72.347 144.499,73.644 R1.2@144.399,73.644 ; 144.272,95.25 145.304,95.25 145.431,95.123 ; 144.272,96.266 144.923,96.266 145.081,96.108 145.181,96.108 145.431,95.858 FB3.2@145.431,95.758
  Top Layer w0.7: JP7.1@136.652,92.918 JP7.1@136.652,93.218 136.676,93.194 136.676,88.471 136.676,88.108 136.9,87.884 140.075,91.059 143.1,91.059 143.51,91.469 143.51,93.345 144.145,93.98 145.021,93.98 145.431,94.39 145.431,95.123
  Bottom Layer w0.5: v2(135.636,89.916) 135.636,75.057 137.668,73.025 141.605,73.025 143.002,71.628 TP1.1@143.002,68.834
+5_LDO: C1.1 C5.2 C29.2 C36.2 FB2.2 JP7.3 R46.2 TP2.1 U5.1 U7.3 | length 61.6
  Top Layer w0.4: TP2.1@139.446,68.834 141.224,70.612 141.224,72.855 140.435,73.644 R46.2@140.335,73.644
  Top Layer w0.7: v2(139.954,74.549) 139.973,74.53 139.973,73.752 R46.2@140.081,73.644 ; C1.1@142.24,82.845 143.167,81.918 144.65,81.918 145.415,81.153 145.415,79.11 146.685,77.84 146.685,74.549 147.305,73.929 147.416,73.929 147.955,73.39 U5.1@147.955,73.279 ; C1.1@142.24,82.883 142.24,82.914 143.167,83.842 144.294,83.842 145.415,84.963 145.415,91.948 145.923,92.456 FB2.2@146.82,92.456 146.97,92.606 146.97,93.249 147.574,93.853 149.296,93.853 150.114,93.035 150.114,91.443 152.022,89.535 155.351,89.535 155.761,89.945 155.761,90.682 155.813,90.734 155.813,92.609 155.97,92.766 U7.3@155.97,93.447 ; v2(144.68,92.71) 144.707,92.71 145.442,91.975
  Bottom Layer w0.7: v2(139.954,74.549) 146.685,74.549 147.521,73.713 147.632,73.713 147.955,73.39 U5.1@147.955,73.279 ; JP7.3@141.732,93.218 144.145,93.218 144.653,92.71 v2(144.68,92.71)
-5V: C13.2 C21.2 C40.1 D1.2 FB4.2 TP3.1 U2.4 U8.11 | length 84.3
  Top Layer w0.4: C21.2@120.269,90.932 120.269,89.476 120.739,89.006 U8.11@120.739,88.708
  Top Layer w0.5: U2.4@103.886,90.852 103.886,90.157 103.924,90.119 105.604,90.119 105.686,90.201 107.846,90.201 107.951,90.307 v3(109.346,90.307) ; U8.11@120.739,88.708 120.739,88.437 121.161,88.016 121.161,88.008 122.047,87.122 130.429,87.122 131.064,86.487 131.064,84.836 131.445,84.455 133.731,84.455 134.493,83.693 134.493,78.74 135.403,77.83 136.213,77.83 C13.2@137.16,76.883 ; TP3.1@135.89,68.834 135.214,68.834 134.567,69.48 134.355,69.48 133.096,70.739 133.096,72.547 133.943,73.394 134.243,73.394 D1.2@134.493,73.644 134.493,74.93 135.403,75.84 136.117,75.84 C13.2@137.16,76.883 ; v2(139.065,77.343) 137.62,77.343 C13.2@137.16,76.883
  Top Layer w0.7: v2(139.065,76.327) v2(139.065,77.343) ; 158.242,79.248 158.489,79.495 159.87,79.495 FB4.2@160.02,79.645
  Top Layer w0.8: v2(158.115,77.978) v2(158.115,78.867)
  Bottom Layer w0.5: v3(109.346,90.307) 109.356,90.297 119.15,90.297 U8.11@120.739,88.708 ; v2(139.065,77.343) 157.399,77.343 158.034,77.978 v2(158.115,77.978)
  Bottom Layer w1: v2(139.065,76.327) v2(139.065,77.343)
AD8232_GND: C22.1 C24.2 C49.2 JP4.2 R36.2 U1.14 U1.16 U1.21 | length 59.7
  Top Layer w0.254: U1.21@118.731,109.077 118.731,109.398 119.188,109.855 v1(119.507,109.855) 119.785,110.133 119.785,111.657 120.65,112.522 121.119,112.522 ; U1.14@120.621,109.577 121.642,109.577 122.001,109.936 122.001,112.116 122.162,112.277 C22.1@122.162,113.665 121.739,113.242 121.739,112.888 121.373,112.522 121.119,112.522 ; v1(121.205,111.771) 121.119,111.857 121.119,112.522
  Top Layer w0.4: C22.1@122.162,113.665 122.287,113.79 C49.2@122.287,115.318
  Top Layer w0.5: v1(116.078,113.792) 116.135,113.735 116.886,113.735 116.983,113.638 117.108,113.763 C24.2@117.108,115.167 ; v1(116.078,115.443) 116.135,115.386 117.163,115.386 C24.2@117.233,115.316 ; C49.2@122.287,115.318 122.287,115.668 121.412,116.543 121.412,117.364 122.301,118.253 v1@122.301,118.491
  Top Layer w0.8: v1(110.617,100.203) 112.395,98.425 120.731,98.425 123.398,95.758 v1(134.366,95.758)
  Bottom Layer w0.8: v1(134.366,95.758) 134.493,95.631 143.129,95.631 144.018,94.742 145.923,94.742
  other v1: 106.2,99.6 107.4,99.6 108.6,99.6 106.8,100.8 108,100.8 91.8,102 93,102 94.2,102 95.4,102 96.6,102 97.8,102 99,102 100.2,102 101.4,102 102.6,102 107.4,102 108.6,102 109.8,102 91.2,103.2 96,103.2 97.2,103.2 98.4,103.2 99.6,103.2 100.8,103.2 102,103.2 103.2,103.2 106.8,103.2 108,103.2 109.2,103.2 91.8,104.4 107.4,104.4 108.6,104.4 109.8,104.4 91.2,105.6 92.4,105.6 108,105.6 91.8,106.8 102.743,107.188 91.2,108 92.4,108 96,108 97.2,108 98.4,108 117.983,108.331 118.749,108.342 119.507,108.331 117.983,109.093 118.702,109.093 119.507,109.093 91.8,109.2 102.6,109.2 117.983,109.855 118.702,109.855 91.2,110.4 92.4,110.4 96,110.4 97.2,110.4 98.4,110.4 99.6,110.4 100.8,110.4 100.203,111.252 102.362,111.506 91.8,111.6 93,111.6 94.2,111.6 95.4,111.6 96.6,111.6 97.8,111.6 103.8,111.6 105,111.6 106.2,111.6 100.203,112.141 101.981,112.268 106.553,112.395 98.4,112.8 104.4,112.8 105.6,112.8 100.203,112.903 101.981,113.03 100.203,113.665 101.981,113.665 99,114 100.203,114.427 101.981,114.427 103.8,116.4 105,116.4 102,117.6 105.6,117.6 122.555,118.491 104.013,118.745 99,118.8 100.2,118.8 101.4,118.8 106.2,118.8 107.4,118.8 108.6,118.8 109.8,118.8 100.8,120 102,120 105.6,120 106.8,120 108,120 109.2,120 110.4,120 111.6,120 112.8,120 114,120 115.2,120 116.4,120 117.6,120 118.8,120 120,120
AD8232_IAOUT: C27.2 R38.1 R39.1 R41.1 U1.19 | length 35.3
  Top Layer w0.254: R38.1@114.157,117.094 114.157,117.033 115.189,116.001 115.189,113.344 116.138,112.395 117.856,112.395 118.237,112.014 U1.19@118.237,110.968
  Top Layer w0.3: R38.1@114.157,117.094 114.221,117.157 115.252,117.157 v2(115.316,117.221) ; v2(115.443,100.33) 115.539,100.426 116.317,100.426 R39.1@116.602,100.711 116.721,100.83 116.721,102.386 R41.1@116.84,102.505 118.368,102.505 C27.2@118.618,102.755
  Bottom Layer w0.3: v2(115.316,117.221) 114.808,117.221 111.76,114.173 111.76,104.013 v2(115.443,100.33)
AD8232_LA: J1.2 J3.2 R29.2 R32.2 | length 21.8
  Top Layer w0.3: J1.2@94.234,106.513 100.43,106.513 J3.2@100.667,106.75 101.118,106.299 105.41,106.299 106.299,107.188 106.299,109.855 107.696,111.252 110.22,111.252 R29.2@110.49,111.522 110.498,111.514 112.022,111.514 R32.2@112.03,111.506
AD8232_LO+: U1.12 U4.13 | length 12.1
  Top Layer w0.254: U1.12@120.621,108.577 122.547,108.577 ; 122.601,108.631 123.144,109.174 123.144,111.46 124.561,112.877 U4.13@129.661,112.877
AD8232_LO-: U1.11 U4.14 | length 12.2
  Top Layer w0.254: U1.11@120.621,108.077 123.19,108.077 123.698,108.585 123.698,111.125 124.8,112.227 U4.14@129.661,112.227
AD8232_OUT: C26.2 R42.1 U1.10 U4.12 | length 23.2
  Top Layer w0.3: 119.888,107.188 121.723,107.188 121.85,107.188 123.571,107.188 ; C26.2@121.908,100.711 122.047,100.85 R42.1@122.047,102.505 122.147,102.505 123.571,103.929 123.571,107.188 ; v2(124.46,107.188) 123.571,107.188 ; v2(128.208,113.727) 128.278,113.727 128.469,113.537 129.651,113.537 U4.12@129.661,113.527
  Bottom Layer w0.3: v2(124.46,107.188) 124.46,113.03 125.157,113.727 v2(128.208,113.727)
AD8232_RA: J1.1 J3.3 R28.2 R33.2 | length 26.1
  Top Layer w0.3: J1.1@94.234,104.013 94.488,104.013 95.631,105.156 105.791,105.156 107.315,106.68 107.315,108.317 108.599,109.601 ; v2(107.823,112.649) 107.823,114.106 J3.3@107.867,114.15 ; v2(108.204,110.109) 108.204,109.996 108.599,109.601 ; R33.2@112.022,109.847 110.498,109.847 110.252,109.601 108.599,109.601
  Bottom Layer w0.3: v2(107.823,112.649) 107.823,110.535 108.204,110.154 v2(108.204,110.109)
AD8232_RL: J1.3 J3.1 R34.2 | length 26.7
  Top Layer w0.3: J1.3@94.234,109.013 100.885,109.013 v2(102.235,110.363) 101.092,111.506 101.092,115.625 J3.1@100.667,116.05 ; v2(109.982,105.537) R34.2@112.03,105.537
  Bottom Layer w0.3: v2(102.235,110.363) 105.156,110.363 v2(109.982,105.537)
AD8232_SDN: U1.13 U4.11 | length 13.1
  Top Layer w0.254: U1.13@120.621,109.077 122.158,109.077 ; 122.212,109.131 122.555,109.474 122.555,111.887 124.099,113.431 127.147,113.431 127.381,113.665 127.381,114.173 127.762,114.554 128.762,114.554 129.038,114.278 129.038,114.251 129.112,114.177 U4.11@129.661,114.177
AD8232_VS: C22.2 C49.1 JP2.2 R28.1 R29.1 R35.2 U1.15 U1.17 | length 78.3
  Top Layer w0.254: U1.17@119.231,110.968 119.231,111.992 ; 119.299,111.992 119.299,112.152 120.662,113.515 C22.2@120.662,113.665 ; U1.15@120.621,110.077 120.852,110.077 v2@121.265,110.49 ; v2(121.174,110.617) 121.174,110.581 v2@121.265,110.49 ; v2@121.447,110.49 v2@121.265,110.49
  Top Layer w0.4: v2(109.22,112.395) 109.242,112.395 110.369,113.522 110.417,113.522 110.26,113.679 110.26,114.622 110.01,114.872 110.01,117.376 110.998,118.364 116.983,118.364 ; R35.2@116.983,117.094 116.983,118.364 ; C22.2@120.662,113.665 120.412,113.915 120.412,117.859 120.015,118.256 v2(120.015,118.364) 116.983,118.364
  Top Layer w0.5: v2(109.347,108.204) 109.428,108.204 109.543,108.089 110.24,108.089 R28.1@110.49,107.839
  Top Layer w0.7: v2(122.174,98.679) 124.045,96.808 137.507,96.808 139.065,95.25 143.383,95.25
  Top Layer w1: v2(120.015,118.364) v2(120.927,118.364)
  Bottom Layer w0.3: v2(121.174,110.617) 122.301,110.617
  Bottom Layer w0.4: v2(109.22,112.395) 109.283,112.331 109.283,108.267 v2(109.347,108.204)
  Bottom Layer w0.6: v2(120.927,118.364) 120.927,118.31 120.777,118.16 120.777,118.073 120.742,118.038 120.742,117.002 122.301,115.443 122.301,110.617 122.301,98.806 v2(122.174,98.679)
  Bottom Layer w1: v2(120.015,118.364) v2(120.927,118.364)
CP2104_RX: P6.1 R45.1 U6.20 | length 26.9
  Top Layer w0.254: U6.20@156.162,106.495 156.903,106.495 157.734,105.664 P6.1@157.734,105.029 ; P6.1@158.518,105.248 158.877,104.889 P6.1@158.877,104.648
  Top Layer w0.3: R45.1@139.811,115.062 139.811,115.162 140.631,115.982 140.931,115.982 140.994,115.92 141.636,115.92 v2(141.732,115.824)
  Bottom Layer w0.254: v2(141.732,115.824) 146.558,115.824 157.26,105.122 157.768,105.122 P6.1@158.242,104.648
CP2104_TX: P6.2 R47.1 U6.21 | length 24.5
  Top Layer w0.254: U6.21@156.162,106.995 158.049,106.995 P6.2@158.242,107.188
  Top Layer w0.3: R47.1@139.827,116.84 139.869,116.882 141.69,116.882 v2(141.732,116.924)
  Bottom Layer w0.3: v2(141.732,116.924) 146.347,116.924 156.083,107.188 P6.2@158.133,107.188